# Altium PCB LimeSDR-QPCIe_1v2.PcbDoc (part 14 of 21) (continued)
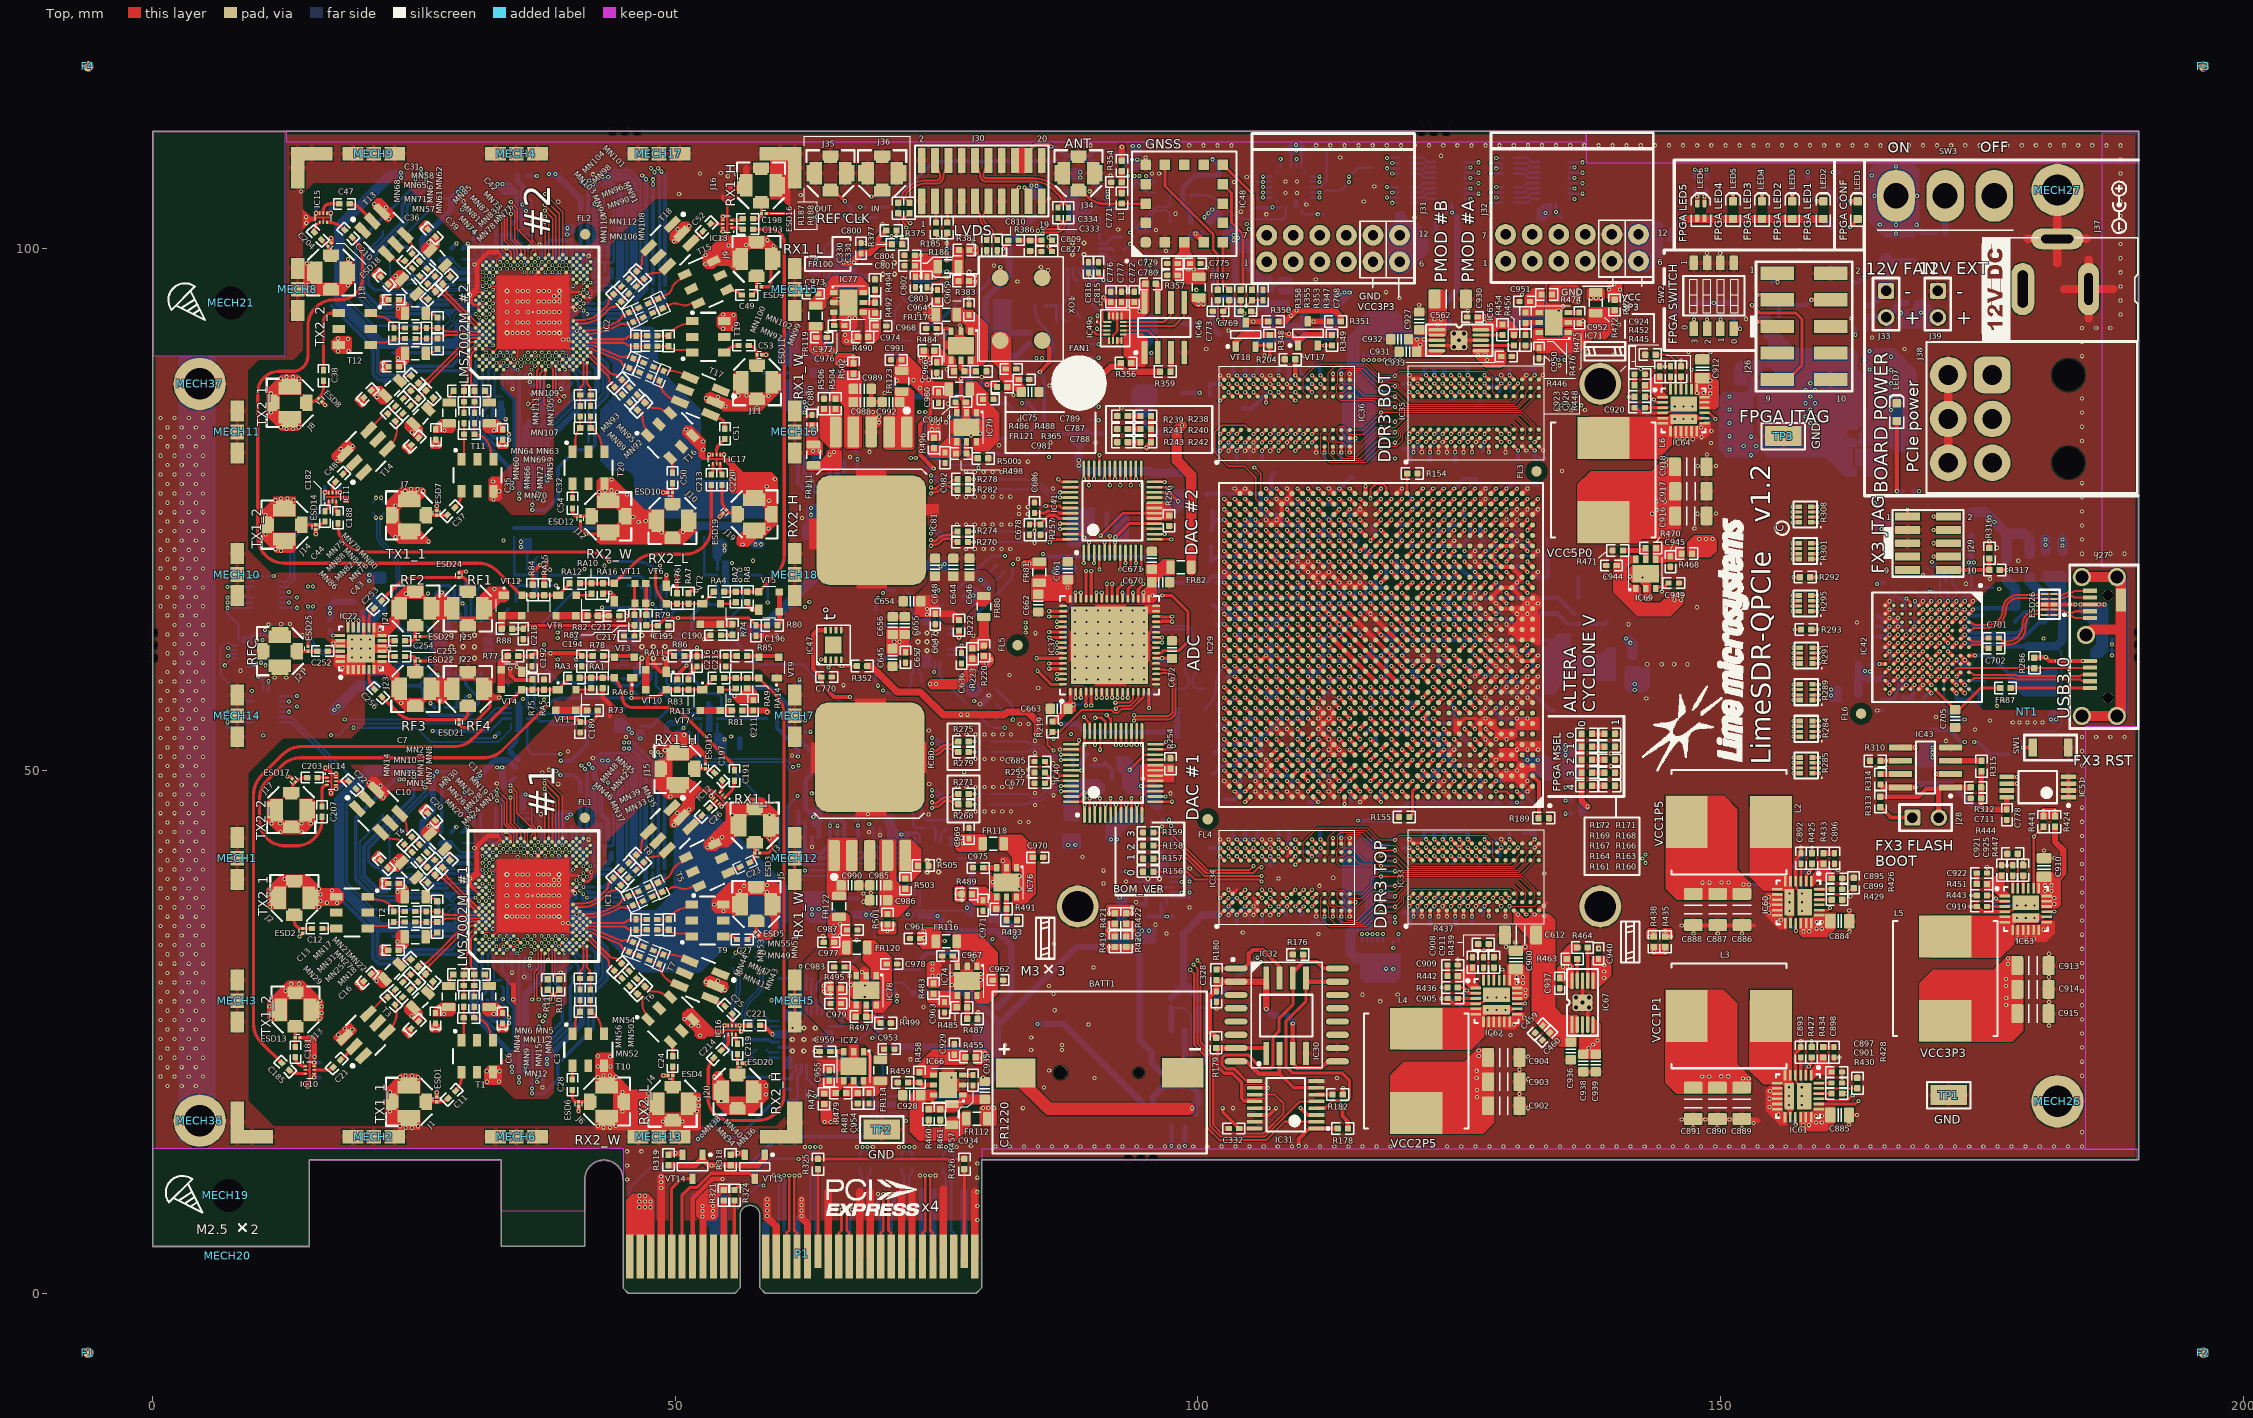
[diagram p0: Top view]
## Nets (pads, with @x,y where several pads share a name; then routed paths per layer and width w, separated by ;. In a path a pad name is that pad's centre, name@x,y a point inside that pad or via, vN(x,y) a via of type N, cw(c..) or ccw(c..) an arc to the next point about the centre after c; other vN are vias at no path point) (continued)
LMS2_DIQ1_D8: IC2.AC31 IC29.AE27 | length 106.6
  Top w0.4: v2(105.525,72) IC29.AE27@106.025,71.5
  L6 w0.1: v3(38.238,98.347) 38.238,98.745 38.897,99.405 40.522,99.405 44.742,103.625 50.35,103.625 51.625,104.9 55.855,104.9 56.93,105.975 78.445,105.975 84.657,99.763 85.277,99.143 86.535,99.143 89.2,96.478 89.2,94.85 88.183,93.833 88.183,93.65 88.183,93.562 cw(c87.879,93.562) 87.879,93.258 87.471,93.258 ccw(c87.471,92.954) 87.167,92.954 ccw(c87.471,92.954) 87.471,92.65 87.879,92.65 cw(c87.879,92.346) 88.183,92.346 cw(c87.879,92.346) 87.879,92.042 87.471,92.042 ccw(c87.471,91.738) 87.167,91.738 ccw(c87.471,91.738) 87.471,91.434 87.879,91.434 cw(c87.879,91.13) 88.183,91.13 cw(c87.879,91.13) 87.879,90.826 87.471,90.826 ccw(c87.471,90.522) 87.167,90.522 ccw(c87.471,90.522) 87.471,90.218 87.879,90.218 cw(c87.879,89.914) 88.183,89.914 cw(c87.879,89.914) 87.879,89.61 87.471,89.61 ccw(c87.471,89.306) 87.167,89.306 ccw(c87.471,89.306) 87.471,89.002 87.879,89.002 cw(c87.879,88.698) 88.183,88.698 cw(c87.879,88.698) 87.879,88.394 87.471,88.394 ccw(c87.471,88.09) 87.167,88.09 ccw(c87.471,88.09) 87.471,87.786 87.879,87.786 cw(c87.879,87.482) 88.183,87.482 cw(c87.879,87.482) 87.879,87.178 87.471,87.178 ccw(c87.471,86.874) 87.167,86.874 ccw(c87.471,86.874) 87.471,86.57 88.183,86.57 88.406,86.57 cw(c88.406,86.266) 88.71,86.266 cw(c88.406,86.266) 88.406,85.962 88.183,85.962 87.471,85.962 ccw(c87.471,85.658) 87.167,85.658 ccw(c87.471,85.658) 87.471,85.354 87.879,85.354 cw(c87.879,85.05) 88.183,85.05 88.183,84.603 95.15,77.636 95.15,75.786 98.336,72.6 103.758,72.6 104.008,72.35 104.725,72.35 105.075,72 v2(105.525,72)
LMS2_DIQ1_D9: IC2.AC33 IC29.AJ29 | length 106.8
  Top w0.15: v1(37.513,103.578) 38.28,102.812 38.28,99.055 IC2.AC33@38.238,99.013
  Top w0.4: v2(103.525,76) IC29.AJ29@104.025,75.5
  L6 w0.1: v1(37.513,103.578) 37.735,103.8 40.792,103.8 43.242,106.25 44.832,106.25 46.761,108.178 52.096,108.178 52.099,108.175 52.867,108.175 52.87,108.178 79.353,108.178 82.257,105.275 84.672,105.275 85.897,104.05 86.939,104.05 96.275,94.714 96.275,90.3 ccw(c96.579,90.3) 96.579,89.996 96.845,89.996 cw(c96.845,89.692) 97.149,89.692 cw(c96.845,89.692) 96.845,89.388 96.579,89.388 ccw(c96.579,89.084) 96.275,89.084 ccw(c96.579,89.084) 96.579,88.78 96.89,88.78 cw(c96.89,88.476) 97.194,88.476 cw(c96.89,88.476) 96.89,88.172 96.579,88.172 ccw(c96.579,87.868) 96.275,87.868 ccw(c96.579,87.868) 96.579,87.564 96.89,87.564 cw(c96.89,87.26) 97.194,87.26 cw(c96.89,87.26) 96.89,86.956 96.579,86.956 ccw(c96.579,86.652) 96.275,86.652 ccw(c96.579,86.652) 96.579,86.348 96.89,86.348 cw(c96.89,86.044) 97.194,86.044 cw(c96.89,86.044) 96.89,85.74 96.579,85.74 ccw(c96.579,85.436) 96.275,85.436 ccw(c96.579,85.436) 96.579,85.132 96.89,85.132 cw(c96.89,84.828) 97.194,84.828 cw(c96.89,84.828) 96.89,84.524 96.579,84.524 ccw(c96.579,84.22) 96.275,84.22 ccw(c96.579,84.22) 96.579,83.916 96.89,83.916 cw(c96.89,83.612) 97.194,83.612 cw(c96.89,83.612) 96.89,83.308 96.579,83.308 ccw(c96.579,83.004) 96.275,83.004 ccw(c96.579,83.004) 96.579,82.7 96.89,82.7 cw(c96.89,82.396) 97.194,82.396 cw(c96.89,82.396) 96.89,82.092 96.579,82.092 ccw(c96.579,81.788) 96.275,81.788 96.275,81.55 96.275,80.931 96.606,80.6 97.05,80.6 ccw(c97.05,80.904) 97.354,80.904 97.354,81.265 cw(c97.658,81.265) 97.658,81.569 cw(c97.658,81.265) 97.962,81.265 97.962,80.904 ccw(c98.266,80.904) 98.266,80.6 98.792,80.6 99.075,80.317 99.075,78.131 100.656,76.55 102.817,76.55 103.367,76 v2(103.525,76)
LMS2_DIQ1_D10: IC2.AB30 IC29.AD28 | length 106.8
  Top w0.4: v2(104.525,71) IC29.AD28@105.025,70.5
  L6 w0.1: v3(37.905,98.014) 37.905,97.555 38.303,97.156 39.167,97.156 39.3,97.289 40.203,97.289 41.389,98.475 42.002,98.475 45.952,102.425 50.864,102.425 52.13,103.691 67.309,103.691 67.5,103.5 75.141,103.5 75.641,103 75.841,102.8 77.225,102.8 77.615,103.19 77.615,103.865 77.875,104.125 78.598,104.125 79.4,103.323 79.4,102.4 78.775,101.775 78.775,101.401 79.076,101.1 79.5,101.1 80.175,101.775 80.948,101.775 82.825,99.898 82.825,98.8 83.2,98.425 83.2,96.123 cw(c82.896,96.123) 82.896,95.819 82.074,95.819 ccw(c82.074,95.515) 81.77,95.515 ccw(c82.074,95.515) 82.074,95.211 82.896,95.211 cw(c82.896,94.907) 83.2,94.907 cw(c82.896,94.907) 82.896,94.603 82.074,94.603 ccw(c82.074,94.299) 81.77,94.299 ccw(c82.074,94.299) 82.074,93.995 82.896,93.995 cw(c82.896,93.691) 83.2,93.691 cw(c82.896,93.691) 82.896,93.387 82.631,93.387 ccw(c82.631,93.083) 82.327,93.083 ccw(c82.631,93.083) 82.631,92.779 82.896,92.779 cw(c82.896,92.475) 83.2,92.475 83.2,87.124 87.625,82.699 87.625,81.304 89.225,79.704 89.225,78.783 88.992,78.55 87.992,78.55 87.625,78.183 87.625,77.592 88.617,76.6 91.78,76.6 97.58,70.8 102.075,70.8 102.3,70.575 104.325,70.575 104.525,70.775 v2(104.525,71)
LMS2_DIQ1_D11: IC2.AB32 IC29.AF30 | length 106.7
  Top w0.4: v2(102.525,73) IC29.AF30@103.025,72.5
  L6 w0.1: v3(37.905,98.68) 37.905,98.905 38.725,99.725 40.55,99.725 44.65,103.825 50.266,103.825 51.553,105.112 55.784,105.112 56.847,106.175 78.528,106.175 84.857,99.846 85.36,99.343 86.618,99.343 89.4,96.561 89.4,94.325 89.4,93.803 cw(c89.096,93.803) 89.096,93.499 88.703,93.499 ccw(c88.703,93.195) 88.399,93.195 ccw(c88.703,93.195) 88.703,92.891 89.4,92.891 89.704,92.891 cw(c89.704,92.587) 90.008,92.587 cw(c89.704,92.587) 89.704,92.283 89.4,92.283 88.703,92.283 ccw(c88.703,91.979) 88.399,91.979 ccw(c88.703,91.979) 88.703,91.675 89.096,91.675 cw(c89.096,91.371) 89.4,91.371 cw(c89.096,91.371) 89.096,91.067 88.703,91.067 ccw(c88.703,90.763) 88.399,90.763 ccw(c88.703,90.763) 88.703,90.459 89.4,90.459 90.097,90.459 cw(c90.097,90.155) 90.401,90.155 cw(c90.097,90.155) 90.097,89.851 89.4,89.851 88.703,89.851 ccw(c88.703,89.547) 88.399,89.547 ccw(c88.703,89.547) 88.703,89.243 89.4,89.243 90.097,89.243 cw(c90.097,88.939) 90.401,88.939 cw(c90.097,88.939) 90.097,88.635 89.4,88.635 88.703,88.635 ccw(c88.703,88.331) 88.399,88.331 ccw(c88.703,88.331) 88.703,88.027 89.096,88.027 cw(c89.096,87.723) 89.4,87.723 cw(c89.096,87.723) 89.096,87.419 88.703,87.419 ccw(c88.703,87.115) 88.399,87.115 ccw(c88.703,87.115) 88.703,86.811 89.096,86.811 cw(c89.096,86.507) 89.4,86.507 89.4,86.315 cw(c89.288,86.315) 89.288,86.203 ccw(c89.288,85.899) 88.984,85.899 ccw(c89.288,85.899) 89.288,85.595 cw(c89.288,85.483) 89.4,85.483 89.4,85.291 cw(c89.096,85.291) 89.096,84.987 88.831,84.987 ccw(c88.831,84.683) 88.527,84.683 ccw(c88.831,84.683) 88.831,84.379 89.096,84.379 cw(c89.096,84.075) 89.4,84.075 89.4,83.669 95.35,77.719 95.35,75.869 98.219,73 v2(102.525,73)
LMS2_DIQ2_D0: IC2.H30 IC29.AA28 | length 109.5
  Top w0.4: v2(104.525,68) IC29.AA28@105.025,67.5
  L6 w0.1: v3@33.193,98.014 34.532,96.675 35.619,96.675 36.562,95.732 36.562,94.742 36.854,94.45 39.209,94.45 41.116,96.357 41.369,96.357 41.56,96.547 41.56,96.801 42.142,97.383 42.324,97.383 45.741,100.8 48.368,100.8 51.475,97.693 51.475,97.05 52.6,95.925 73.23,95.925 73.58,95.575 74.75,95.575 75.625,94.7 78.825,94.7 79.8,93.725 79.8,93.5 ccw(c80.104,93.5) 80.104,93.196 80.351,93.196 cw(c80.351,92.892) 80.655,92.892 cw(c80.351,92.892) 80.351,92.588 79.8,92.588 78.337,92.588 ccw(c78.337,92.284) 78.033,92.284 ccw(c78.337,92.284) 78.337,91.98 79.8,91.98 79.959,91.98 cw(c79.959,91.676) 80.263,91.676 cw(c79.959,91.676) 79.959,91.372 79.8,91.372 78.337,91.372 ccw(c78.337,91.068) 78.033,91.068 ccw(c78.337,91.068) 78.337,90.764 79.8,90.764 79.959,90.764 cw(c79.959,90.46) 80.263,90.46 cw(c79.959,90.46) 79.959,90.156 79.8,90.156 78.472,90.156 ccw(c78.472,89.852) 78.168,89.852 ccw(c78.472,89.852) 78.472,89.548 79.496,89.548 cw(c79.496,89.244) 79.8,89.244 79.8,89.225 79.8,89.075 85.05,83.825 85.05,78.612 86.5,77.162 86.5,75.955 86.855,75.6 91.358,75.6 97.158,69.8 100.917,69.8 102.267,68.45 104.3,68.45 104.525,68.225 v2(104.525,68)
  other v3: 33.243,98.014
LMS2_DIQ2_D1: IC2.J31 IC29.AJ30 | length 109.5
  Top w0.4: v2(102.525,76) IC29.AJ30@103.025,75.5
  L6 w0.1: v3(33.576,98.347) 33.584,98.355 33.584,98.815 35.847,101.078 37.412,101.078 37.692,101.358 38.158,101.358 39.4,102.6 41.162,102.6 43.987,105.425 47.95,105.425 50.3,107.775 79.191,107.775 82.091,104.875 84.506,104.875 85.731,103.65 86.774,103.65 95.025,95.399 95.025,92.25 cw(c94.883,92.25) 94.883,92.108 94.589,92.108 ccw(c94.589,91.804) 94.285,91.804 ccw(c94.589,91.804) 94.589,91.5 95.025,91.5 cw(c95.025,91.353) 95.172,91.353 95.172,91.039 cw(c95.025,91.039) 95.025,90.892 94.589,90.892 ccw(c94.589,90.588) 94.285,90.588 ccw(c94.589,90.588) 94.589,90.284 95.025,90.284 cw(c95.025,90.109) 95.2,90.109 95.2,89.851 cw(c95.025,89.851) 95.025,89.676 94.589,89.676 ccw(c94.589,89.372) 94.285,89.372 ccw(c94.589,89.372) 94.589,89.068 95.025,89.068 95.395,89.068 cw(c95.395,88.764) 95.699,88.764 cw(c95.395,88.764) 95.395,88.46 95.025,88.46 94.589,88.46 ccw(c94.589,88.156) 94.285,88.156 ccw(c94.589,88.156) 94.589,87.852 95.025,87.852 95.561,87.852 cw(c95.561,87.548) 95.865,87.548 cw(c95.561,87.548) 95.561,87.244 95.025,87.244 94.589,87.244 ccw(c94.589,86.94) 94.285,86.94 ccw(c94.589,86.94) 94.589,86.636 95.025,86.636 95.561,86.636 cw(c95.561,86.332) 95.865,86.332 cw(c95.561,86.332) 95.561,86.028 95.025,86.028 94.589,86.028 ccw(c94.589,85.724) 94.285,85.724 ccw(c94.589,85.724) 94.589,85.42 95.025,85.42 95.561,85.42 cw(c95.561,85.116) 95.865,85.116 cw(c95.561,85.116) 95.561,84.812 95.025,84.812 94.589,84.812 ccw(c94.589,84.508) 94.285,84.508 ccw(c94.589,84.508) 94.589,84.204 94.721,84.204 cw(c94.721,83.9) 95.025,83.9 95.025,83.58 95.825,82.78 95.825,80.239 99.914,76.15 102.375,76.15 v2(102.525,76)
LMS2_DIQ2_D2: IC2.K30 IC29.AB29 | length 109.5
  Top w0.4: v2(103.525,69) IC29.AB29@104.025,68.5
  L6 w0.1: v3(33.909,98.014) 33.909,97.933 34.692,97.15 35.745,97.15 36.539,96.356 39.669,96.356 40.001,96.024 40.37,96.024 40.91,96.563 40.91,96.817 41.768,97.675 42.334,97.675 45.659,101 48.45,101 49.35,100.1 54.325,100.1 54.975,100.75 55.425,100.75 56.825,102.15 61.05,102.15 62.725,100.475 62.725,98.767 63.542,97.95 63.775,97.95 64.079,97.95 64.383,97.95 cw(c64.383,97.646) 64.687,97.646 64.687,96.773 ccw(c64.991,96.773) 64.991,96.469 ccw(c64.991,96.773) 65.295,96.773 65.295,97.646 cw(c65.599,97.646) 65.599,97.95 cw(c65.599,97.646) 65.903,97.646 65.903,96.773 ccw(c66.207,96.773) 66.207,96.469 ccw(c66.207,96.773) 66.511,96.773 66.511,97.646 cw(c66.815,97.646) 66.815,97.95 cw(c66.815,97.646) 67.119,97.646 67.119,96.773 ccw(c67.423,96.773) 67.423,96.469 ccw(c67.423,96.773) 67.727,96.773 67.727,97.646 cw(c68.031,97.646) 68.031,97.95 cw(c68.031,97.646) 68.335,97.646 68.335,96.773 ccw(c68.639,96.773) 68.639,96.469 ccw(c68.639,96.773) 68.943,96.773 68.943,97.646 cw(c69.247,97.646) 69.247,97.95 69.475,97.95 73.975,97.95 74.925,97 74.925,96.075 75.375,95.625 78.345,95.625 80.925,93.045 80.925,92.6 80.925,92.153 cw(c80.766,92.153) 80.766,91.994 ccw(c80.766,91.69) 80.462,91.69 ccw(c80.766,91.69) 80.766,91.386 80.925,91.386 81.167,91.386 cw(c81.167,91.082) 81.471,91.082 cw(c81.167,91.082) 81.167,90.778 80.925,90.778 80.766,90.778 ccw(c80.766,90.474) 80.462,90.474 ccw(c80.766,90.474) 80.766,90.17 80.925,90.17 81.167,90.17 cw(c81.167,89.866) 81.471,89.866 cw(c81.167,89.866) 81.167,89.562 80.925,89.562 80.683,89.562 ccw(c80.683,89.258) 80.379,89.258 ccw(c80.683,89.258) 80.683,88.954 cw(c80.683,88.712) 80.925,88.712 80.925,88.65 80.925,88.233 85.25,83.908 85.25,78.695 88.145,75.8 91.441,75.8 97.241,70 101,70 102.35,68.65 103.175,68.65 v2(103.525,69)
LMS2_DIQ2_D3: IC2.K32 IC29.AD24 | length 109.5
  Top w0.4: v2(108.525,71) IC29.AD24@109.025,70.5
  L6 w0.1: v3(33.909,98.68) 33.909,98.799 35.987,100.878 37.495,100.878 37.775,101.158 38.241,101.158 39.483,102.4 41.245,102.4 44.07,105.225 48.033,105.225 50.383,107.575 79.108,107.575 82.008,104.675 84.424,104.675 85.649,103.45 86.691,103.45 94.075,96.066 94.075,94.35 94.075,93.262 cw(c93.771,93.262) 93.771,92.958 93.63,92.958 ccw(c93.63,92.654) 93.326,92.654 ccw(c93.63,92.654) 93.63,92.35 93.771,92.35 cw(c93.771,92.046) 94.075,92.046 cw(c93.771,92.046) 93.771,91.742 93.63,91.742 ccw(c93.63,91.438) 93.326,91.438 ccw(c93.63,91.438) 93.63,91.134 93.771,91.134 cw(c93.771,90.83) 94.075,90.83 cw(c93.771,90.83) 93.771,90.526 93.63,90.526 ccw(c93.63,90.222) 93.326,90.222 ccw(c93.63,90.222) 93.63,89.918 93.771,89.918 cw(c93.771,89.614) 94.075,89.614 cw(c93.771,89.614) 93.771,89.31 93.63,89.31 ccw(c93.63,89.006) 93.326,89.006 ccw(c93.63,89.006) 93.63,88.702 93.771,88.702 cw(c93.771,88.398) 94.075,88.398 cw(c93.771,88.398) 93.771,88.094 93.63,88.094 ccw(c93.63,87.79) 93.326,87.79 ccw(c93.63,87.79) 93.63,87.486 93.771,87.486 cw(c93.771,87.182) 94.075,87.182 cw(c93.771,87.182) 93.771,86.878 93.63,86.878 ccw(c93.63,86.574) 93.326,86.574 ccw(c93.63,86.574) 93.63,86.27 93.771,86.27 cw(c93.771,85.966) 94.075,85.966 cw(c93.771,85.966) 93.771,85.662 93.63,85.662 ccw(c93.63,85.358) 93.326,85.358 ccw(c93.63,85.358) 93.63,85.054 93.771,85.054 cw(c93.771,84.75) 94.075,84.75 94.075,84.247 95.625,82.697 95.625,80.156 99.831,75.95 101.975,75.95 102.275,75.65 102.653,75.65 102.953,75.35 103.675,75.35 107.375,71.65 107.875,71.65 v2(108.525,71)
LMS2_DIQ2_D4: IC2.L31 IC29.AG28 | length 109.4
  Top w0.4: v2(104.525,74) IC29.AG28@105.025,73.5
  L6 w0.1: v3(34.242,98.347) 34.242,98.849 36.07,100.678 37.578,100.678 37.825,100.925 40.053,100.925 44.153,105.025 48.116,105.025 49.466,106.375 51.15,106.375 ccw(c51.15,106.679) 51.454,106.679 51.454,106.823 cw(c51.758,106.823) 51.758,107.127 cw(c51.758,106.823) 52.062,106.823 52.062,106.679 ccw(c52.366,106.679) 52.366,106.375 52.375,106.375 52.875,106.375 ccw(c52.875,106.679) 53.179,106.679 53.179,107.071 cw(c53.483,107.071) 53.483,107.375 cw(c53.483,107.071) 53.787,107.071 53.787,106.679 ccw(c54.091,106.679) 54.091,106.375 54.395,106.375 54.825,106.375 55.125,106.375 55.35,106.6 55.35,107.175 55.55,107.375 79.025,107.375 81.925,104.475 84.341,104.475 85.566,103.25 86.608,103.25 88.7,101.158 88.7,100.309 88.934,100.075 89.783,100.075 93.875,95.983 93.875,93.4 93.649,93.174 93.074,93.174 92.675,92.775 92.675,92.6 ccw(c92.979,92.6) 92.979,92.296 93.042,92.296 cw(c93.042,91.992) 93.346,91.992 cw(c93.042,91.992) 93.042,91.688 92.979,91.688 ccw(c92.979,91.384) 92.675,91.384 ccw(c92.979,91.384) 92.979,91.08 93.042,91.08 cw(c93.042,90.776) 93.346,90.776 cw(c93.042,90.776) 93.042,90.472 92.979,90.472 ccw(c92.979,90.168) 92.675,90.168 ccw(c92.979,90.168) 92.979,89.864 93.042,89.864 cw(c93.042,89.56) 93.346,89.56 cw(c93.042,89.56) 93.042,89.256 92.979,89.256 ccw(c92.979,88.952) 92.675,88.952 ccw(c92.979,88.952) 92.979,88.648 93.042,88.648 cw(c93.042,88.344) 93.346,88.344 cw(c93.042,88.344) 93.042,88.04 92.979,88.04 ccw(c92.979,87.736) 92.675,87.736 ccw(c92.979,87.736) 92.979,87.432 93.042,87.432 cw(c93.042,87.128) 93.346,87.128 cw(c93.042,87.128) 93.042,86.824 92.979,86.824 ccw(c92.979,86.52) 92.675,86.52 ccw(c92.979,86.52) 92.979,86.216 93.042,86.216 cw(c93.042,85.912) 93.346,85.912 cw(c93.042,85.912) 93.042,85.608 92.979,85.608 ccw(c92.979,85.304) 92.675,85.304 ccw(c92.979,85.304) 92.979,85 93.167,85 cw(c93.167,84.696) 93.471,84.696 cw(c93.167,84.696) 93.167,84.392 92.979,84.392 ccw(c92.979,84.088) 92.675,84.088 92.675,83.825 92.675,83.45 93.079,83.046 94.993,83.046 95.425,82.614 95.425,79.341 96.441,78.325 97.173,78.325 99.748,75.75 101.892,75.75 102.192,75.45 102.57,75.45 103.47,74.55 103.975,74.55 v2(104.525,74)
LMS2_DIQ2_D5: IC2.K34 IC29.AG27 | length 109.2
  Top w0.15: v1(32.963,102.978) 33.407,102.534 33.407,99.848 IC2.K34@33.909,99.346
  Top w0.4: v2(105.525,74) IC29.AG27@106.025,73.5
  L6 w0.1: v1(32.963,102.978) 33.672,102.978 34.8,101.85 37.7,101.85 39.025,103.175 40.45,103.175 43.325,106.05 44.915,106.05 46.843,107.978 50.875,107.978 50.878,107.975 52.95,107.975 52.953,107.978 79.271,107.978 82.174,105.075 84.589,105.075 85.814,103.85 86.856,103.85 96.075,94.631 96.075,94.275 96.075,93.971 96.075,93.667 cw(c95.771,93.667) 95.771,93.363 95.529,93.363 ccw(c95.529,93.059) 95.225,93.059 ccw(c95.529,93.059) 95.529,92.755 95.771,92.755 cw(c95.771,92.451) 96.075,92.451 cw(c95.771,92.451) 95.771,92.147 95.529,92.147 ccw(c95.529,91.843) 95.225,91.843 ccw(c95.529,91.843) 95.529,91.539 95.771,91.539 cw(c95.771,91.235) 96.075,91.235 cw(c95.771,91.235) 95.771,90.931 95.529,90.931 ccw(c95.529,90.627) 95.225,90.627 ccw(c95.529,90.627) 95.529,90.323 95.771,90.323 cw(c95.771,90.019) 96.075,90.019 96.075,89.901 cw(c95.889,89.901) 95.889,89.715 ccw(c95.889,89.411) 95.585,89.411 ccw(c95.889,89.411) 95.889,89.107 cw(c95.889,88.921) 96.075,88.921 96.075,88.499 96.075,88.4 96.075,80.849 96.54,80.384 96.925,80.384 cw(c96.925,80.08) 97.229,80.08 97.229,79.82 ccw(c97.533,79.82) 97.533,79.516 ccw(c97.533,79.82) 97.837,79.82 97.837,80.08 cw(c98.141,80.08) 98.141,80.384 98.445,80.384 98.516,80.384 98.875,80.025 98.875,78.049 100.574,76.35 102.67,76.35 103.47,75.55 103.758,75.55 103.958,75.35 104.67,75.35 104.925,75.095 104.925,74.6 v2(105.525,74)
LMS2_DIQ2_D6: IC2.M30 IC29.AB26 | length 109.4
  Top w0.4: v2(106.525,69) IC29.AB26@107.025,68.5
  L6 w0.1: v3(34.575,98.014) 34.575,97.55 34.774,97.35 35.828,97.35 36.622,96.556 39.416,96.556 39.549,96.689 40.451,96.689 41.637,97.875 42.251,97.875 45.601,101.225 51.35,101.225 52.5,102.375 54.65,102.375 54.95,102.075 55.625,102.075 56.6,103.05 61.4,103.05 62.075,102.375 62.075,102.1 62.275,101.9 63.325,101.9 63.7,101.525 63.7,99.675 64.125,99.25 68.9,99.25 69.55,99.9 70.1,99.9 ccw(c70.1,100.204) 70.404,100.204 70.404,100.315 cw(c70.708,100.315) 70.708,100.619 cw(c70.708,100.315) 71.012,100.315 71.012,99.9 71.012,99.398 ccw(c71.316,99.398) 71.316,99.094 ccw(c71.316,99.398) 71.62,99.398 71.62,99.9 71.62,100.364 cw(c71.924,100.364) 71.924,100.668 cw(c71.924,100.364) 72.228,100.364 72.228,99.9 72.228,98.718 ccw(c72.532,98.718) 72.532,98.414 ccw(c72.532,98.718) 72.836,98.718 72.836,99.9 72.836,101.082 cw(c73.14,101.082) 73.14,101.386 cw(c73.14,101.082) 73.444,101.082 73.444,100.204 ccw(c73.748,100.204) 73.748,99.9 74.25,99.9 75.125,99.9 75.437,99.587 75.437,96.312 75.875,95.875 76.925,95.875 77.401,96.351 77.901,96.351 81.2,93.053 81.2,91.925 81.75,91.375 81.75,87.725 87.025,82.45 87.025,77.344 88.369,76 91.524,76 97.324,70.2 101.675,70.2 102.25,69.625 105.9,69.625 v2(106.525,69)
LMS2_DIQ2_D7: IC2.M32 IC29.AF24 | length 109.4
  Top w0.11: IC2.M32@34.575,98.68 34.575,99.185
  Top w0.15: v1(32.963,103.503) 33.113,103.353 33.119,103.353 33.657,102.815 33.657,100.702 34.575,99.785 34.575,99.185
  Top w0.4: v2(108.525,73) IC29.AF24@109.025,72.5
  L6 w0.1: v1(32.963,103.503) 33.35,103.89 33.35,104.375 36.925,107.95 39.658,107.95 40.358,108.65 45.253,108.65 46.181,109.578 80.419,109.578 82.172,107.825 85.158,107.825 99.3,93.683 99.3,93.669 99.375,93.594 99.375,92.7 101.425,90.65 101.425,90.1 101.425,89.796 101.425,89.492 cw(c101.121,89.492) 101.121,89.188 100.967,89.188 ccw(c100.967,88.884) 100.663,88.884 ccw(c100.967,88.884) 100.967,88.58 101.121,88.58 cw(c101.121,88.276) 101.425,88.276 cw(c101.121,88.276) 101.121,87.972 100.967,87.972 ccw(c100.967,87.668) 100.663,87.668 ccw(c100.967,87.668) 100.967,87.364 101.121,87.364 cw(c101.121,87.06) 101.425,87.06 101.425,85.975 101.425,80.292 103.542,78.175 104.411,78.175 105.275,77.311 105.275,76.876 105.401,76.75 105.836,76.75 106.216,76.369 106.651,76.369 106.875,76.145 106.875,75.721 108.1,74.496 108.1,73.9 108.525,73.475 v2(108.525,73)
LMS2_DIQ2_D8: IC2.N31 IC29.AH30 | length 109.5
  Top w0.4: v2(102.525,75) IC29.AH30@103.025,74.5
  L6 w0.1: v3(34.908,98.347) 34.625,98.63 34.625,98.95 35.425,99.75 36.209,99.75 36.409,99.95 37.159,99.95 37.934,100.725 40.136,100.725 44.236,104.825 48.199,104.825 49.549,106.175 55.433,106.175 56.433,107.175 78.942,107.175 81.842,104.275 84.258,104.275 85.483,103.05 86.525,103.05 88.5,101.075 88.5,100.226 88.851,99.875 89.7,99.875 92.475,97.1 92.475,96.125 92.475,95.576 ccw(c92.779,95.576) 92.779,95.272 93.301,95.272 cw(c93.301,94.968) 93.605,94.968 cw(c93.301,94.968) 93.301,94.664 92.475,94.664 92.213,94.664 ccw(c92.213,94.36) 91.909,94.36 ccw(c92.213,94.36) 92.213,94.056 92.475,94.056 93.301,94.056 cw(c93.301,93.752) 93.605,93.752 cw(c93.301,93.752) 93.301,93.448 92.475,93.448 92.179,93.448 ccw(c92.179,93.144) 91.875,93.144 ccw(c92.179,93.144) 92.179,92.84 cw(c92.179,92.544) 92.475,92.544 92.475,92.528 cw(c92.179,92.528) 92.179,92.232 ccw(c92.179,91.928) 91.875,91.928 ccw(c92.179,91.928) 92.179,91.624 cw(c92.179,91.328) 92.475,91.328 92.475,91.312 cw(c92.179,91.312) 92.179,91.016 ccw(c92.179,90.712) 91.875,90.712 ccw(c92.179,90.712) 92.179,90.408 cw(c92.179,90.112) 92.475,90.112 92.475,90.096 cw(c92.179,90.096) 92.179,89.8 ccw(c92.179,89.496) 91.875,89.496 ccw(c92.179,89.496) 92.179,89.192 cw(c92.179,88.896) 92.475,88.896 92.475,88.88 cw(c92.179,88.88) 92.179,88.584 ccw(c92.179,88.28) 91.875,88.28 ccw(c92.179,88.28) 92.179,87.976 cw(c92.179,87.68) 92.475,87.68 92.475,87.664 cw(c92.179,87.664) 92.179,87.368 ccw(c92.179,87.064) 91.875,87.064 ccw(c92.179,87.064) 92.179,86.76 cw(c92.179,86.464) 92.475,86.464 92.475,86.448 cw(c92.179,86.448) 92.179,86.152 ccw(c92.179,85.848) 91.875,85.848 ccw(c92.179,85.848) 92.179,85.544 cw(c92.179,85.248) 92.475,85.248 92.475,85.232 cw(c92.179,85.232) 92.179,84.936 ccw(c92.179,84.632) 91.875,84.632 ccw(c92.179,84.632) 92.179,84.328 cw(c92.179,84.032) 92.475,84.032 92.475,84.016 cw(c92.179,84.016) 92.179,83.72 ; 92.249,83.72 ccw(c92.249,83.416) 91.945,83.416 ccw(c92.249,83.416) 92.249,83.112 92.475,83.112 92.604,83.112 cw(c92.604,82.808) 92.908,82.808 cw(c92.604,82.808) 92.604,82.504 ccw(c92.604,82.375) 92.475,82.375 92.475,82.2 92.475,82.008 96.35,78.133 96.35,76.858 97.408,75.8 97.45,75.8 97.534,75.8 ccw(c97.534,76.104) 97.838,76.104 97.838,76.63 cw(c98.142,76.63) 98.142,76.934 cw(c98.142,76.63) 98.446,76.63 98.446,76.104 ccw(c98.75,76.104) 98.75,75.8 99.389,75.8 99.639,75.55 101.809,75.55 102.359,75 v2(102.525,75)
LMS2_DIQ2_D9: IC2.N33 IC29.AE23 | length 109.3
  Top w0.15: v1@33.013,103.983 33.386,103.611 33.386,103.439 33.907,102.918 33.907,100.806 34.866,99.847 34.866,99.013 IC2.N33@34.908,99.013
  Top w0.4: v2(109.525,72) IC29.AE23@110.025,71.5
  L6 w0.1: v1(32.963,104.008) 32.963,104.271 36.842,108.15 39.575,108.15 40.275,108.85 45.17,108.85 46.098,109.778 80.502,109.778 82.255,108.025 85.241,108.025 99.5,93.766 99.5,93.752 99.575,93.677 99.575,92.783 101.625,90.733 101.625,80.375 102.825,79.175 103.525,79.175 103.7,79 103.7,78.6 103.925,78.375 104.494,78.375 105.475,77.394 105.475,77.125 105.65,76.95 106.019,76.95 106.4,76.569 106.734,76.569 107.075,76.228 107.075,75.955 108.875,74.155 108.875,72.65 v2(109.525,72)
LMS2_DIQ2_D10: IC2.P30 IC29.AG29 | length 109.3
  Top w0.4: v2(103.525,74) IC29.AG29@104.025,73.5
  L6 w0.1: v3(35.241,98.014) 35.249,98.022 35.708,98.022 35.899,98.213 35.899,98.551 35.5,98.95 35.5,99.2 35.65,99.35 36.375,99.35 36.575,99.55 37.325,99.55 38.1,100.325 40.301,100.325 44.401,104.425 50.017,104.425 50.225,104.633 50.225,104.775 50.025,104.975 49.425,104.975 49.27,105.13 49.27,105.33 49.714,105.775 50.275,105.775 50.6,105.45 51.042,105.45 51.367,105.775 55.599,105.775 56.599,106.775 78.777,106.775 82.902,102.65 83.15,102.65 ccw(c83.15,102.954) 83.454,102.954 83.454,103.571 cw(c83.758,103.571) 83.758,103.875 cw(c83.758,103.571) 84.062,103.571 84.062,102.65 84.062,102.42 ccw(c84.366,102.42) 84.366,102.116 ccw(c84.366,102.42) 84.67,102.42 cw(c84.9,102.42) 84.9,102.65 84.975,102.65 85.35,102.65 85.55,102.45 85.55,101.5 85.675,101.375 85.9,101.375 86.05,101.525 86.05,102.45 86.175,102.575 86.434,102.575 87.4,101.609 87.4,99.409 88.109,98.7 88.634,98.7 cw(c88.634,98.396) 88.938,98.396 88.938,98.163 ccw(c89.242,98.163) 89.242,97.859 ccw(c89.242,98.163) 89.546,98.163 89.546,98.396 cw(c89.85,98.396) 89.85,98.7 90.309,98.7 90.875,98.134 90.875,97.628 90.425,97.178 90.425,96.55 90.575,96.4 91.775,96.4 92,96.175 92,95.233 91.475,94.708 91.475,84.342 91.075,83.942 91.075,82.842 95.95,77.967 95.95,76.117 98.317,73.75 101.78,73.75 102.43,74.4 102.65,74.4 103.05,74 v2(103.525,74)
LMS2_DIQ2_D11: IC2.P32 IC29.AE26 | length 109.5
  Top w0.4: v2(106.525,72) IC29.AE26@107.025,71.5
  L6 w0.1: v3(35.241,98.68) 35.241,99.283 35.508,99.55 36.292,99.55 36.492,99.75 37.242,99.75 38.017,100.525 40.219,100.525 44.319,104.625 48.281,104.625 49.631,105.975 55.516,105.975 56.516,106.975 78.86,106.975 81.76,104.075 84.175,104.075 85.4,102.85 86.442,102.85 87.6,101.692 87.6,100.2 87.875,99.925 88.375,99.925 88.6,99.7 88.6,99.3 89,98.9 90.392,98.9 91.075,98.217 91.075,97.545 90.625,97.095 90.625,96.805 90.83,96.6 92,96.6 92.2,96.4 92.2,95.15 91.675,94.625 91.675,82.525 96.15,78.05 96.15,76.2 97.75,74.6 98.025,74.6 ccw(c98.025,74.904) 98.329,74.904 98.329,75.284 cw(c98.633,75.284) 98.633,75.588 cw(c98.633,75.284) 98.937,75.284 98.937,74.6 98.937,74.274 ccw(c99.241,74.274) 99.241,73.97 ccw(c99.241,74.274) 99.545,74.274 99.545,74.6 99.545,75.026 cw(c99.849,75.026) 99.849,75.33 cw(c99.849,75.026) 100.153,75.026 100.153,74.6 100.153,74.274 ccw(c100.457,74.274) 100.457,73.97 ccw(c100.457,74.274) 100.761,74.274 100.761,74.6 100.761,75.026 cw(c101.065,75.026) 101.065,75.33 cw(c101.065,75.026) 101.369,75.026 101.369,74.6 101.369,74.376 ccw(c101.673,74.376) 101.673,74.072 ccw(c101.673,74.376) 101.977,74.376 101.977,74.356 cw(c102.221,74.356) 102.221,74.6 102.733,74.6 102.983,74.35 103.67,74.35 105.32,72.7 105.825,72.7 v2(106.525,72)
LMS2_ENABLE_IQSEL1: IC2.Y32 IC29.AF29 | length 106.7
  Top w0.4: v2(103.525,73) IC29.AF29@104.025,72.5
  L6 w0.1: v3(37.239,98.68) 37.239,98.898 38.266,99.925 40.467,99.925 44.567,104.025 50.183,104.025 51.527,105.369 55.758,105.369 56.764,106.375 78.611,106.375 85.057,99.929 85.443,99.543 86.701,99.543 90.1,96.144 90.1,95.525 89.725,95.15 89.725,94.125 ccw(c89.9,94.125) 89.9,93.95 90.775,93.95 cw(c90.775,93.675) 91.05,93.675 91.05,93.425 91.05,93.355 cw(c90.773,93.355) 90.773,93.078 ccw(c90.773,92.774) 90.469,92.774 ccw(c90.773,92.774) 90.773,92.47 cw(c90.773,92.193) 91.05,92.193 91.05,92.166 cw(c90.746,92.166) 90.746,91.862 89.882,91.862 ccw(c89.882,91.558) 89.578,91.558 ccw(c89.882,91.558) 89.882,91.254 90.746,91.254 cw(c90.746,90.95) 91.05,90.95 91.05,90.725 90.7,90.375 90.7,90.15 91.05,89.8 91.05,89.545 90.825,89.32 90.825,88.975 91.05,88.75 91.05,88.723 cw(c90.746,88.723) 90.746,88.419 89.802,88.419 ccw(c89.802,88.115) 89.498,88.115 ccw(c89.802,88.115) 89.802,87.811 90.746,87.811 cw(c90.746,87.507) 91.05,87.507 cw(c90.746,87.507) 90.746,87.203 89.802,87.203 ccw(c89.802,86.899) 89.498,86.899 ccw(c89.802,86.899) 89.802,86.595 90.746,86.595 cw(c90.746,86.291) 91.05,86.291 cw(c90.746,86.291) 90.746,85.987 89.87,85.987 ccw(c89.87,85.683) 89.566,85.683 ccw(c89.87,85.683) 89.87,85.379 90.746,85.379 cw(c90.746,85.075) 91.05,85.075 91.05,84.7 cw(c90.7,84.7) 90.7,84.35 89.941,84.35 ccw(c89.941,84.025) 89.616,84.025 ccw(c90.317,84.025) 89.822,83.53 95.55,77.801 95.55,75.951 98.151,73.35 102.7,73.35 103.2,72.85 103.375,72.85 v2(103.525,73)
LMS2_ENABLE_IQSEL2: IC2.R33 IC29.AF25 | length 109.3
  Top w0.15: v1@34.288,103.878 34.638,103.528 34.638,100.827 35.616,99.85 35.616,99.055 IC2.R33@35.574,99.013
  Top w0.4: v2(107.525,73) IC29.AF25@108.025,72.5
  L6 w0.1: v1(34.263,103.878) 36.96,106.575 38.85,106.575 40.525,108.25 45.418,108.25 46.346,109.178 80.253,109.178 82.006,107.425 84.992,107.425 98.9,93.517 98.9,93.503 98.975,93.428 98.975,92.534 100.247,91.263 100.247,90.75 99.993,90.496 99.993,89.129 100.247,88.875 100.247,86.878 101.025,86.1 101.025,85.796 101.025,85.492 cw(c100.721,85.492) 100.721,85.188 100.313,85.188 ccw(c100.313,84.884) 100.009,84.884 ccw(c100.313,84.884) 100.313,84.58 100.721,84.58 cw(c100.721,84.276) 101.025,84.276 cw(c100.721,84.276) 100.721,83.972 100.313,83.972 ccw(c100.313,83.668) 100.009,83.668 ccw(c100.313,83.668) 100.313,83.364 100.721,83.364 cw(c100.721,83.06) 101.025,83.06 cw(c100.721,83.06) 100.721,82.756 100.313,82.756 ccw(c100.313,82.452) 100.009,82.452 ccw(c100.313,82.452) 100.313,82.148 100.721,82.148 cw(c100.721,81.844) 101.025,81.844 101.025,81.475 101.025,80.126 103.376,77.775 104.245,77.775 104.875,77.145 104.875,76.711 105.236,76.35 105.67,76.35 105.875,76.145 105.875,75.775 106.3,75.35 106.67,75.35 107.115,74.905 107.125,74.905 107.125,73.4 v2(107.525,73)